# KiCad board EMP.kicad_pcb (continued)
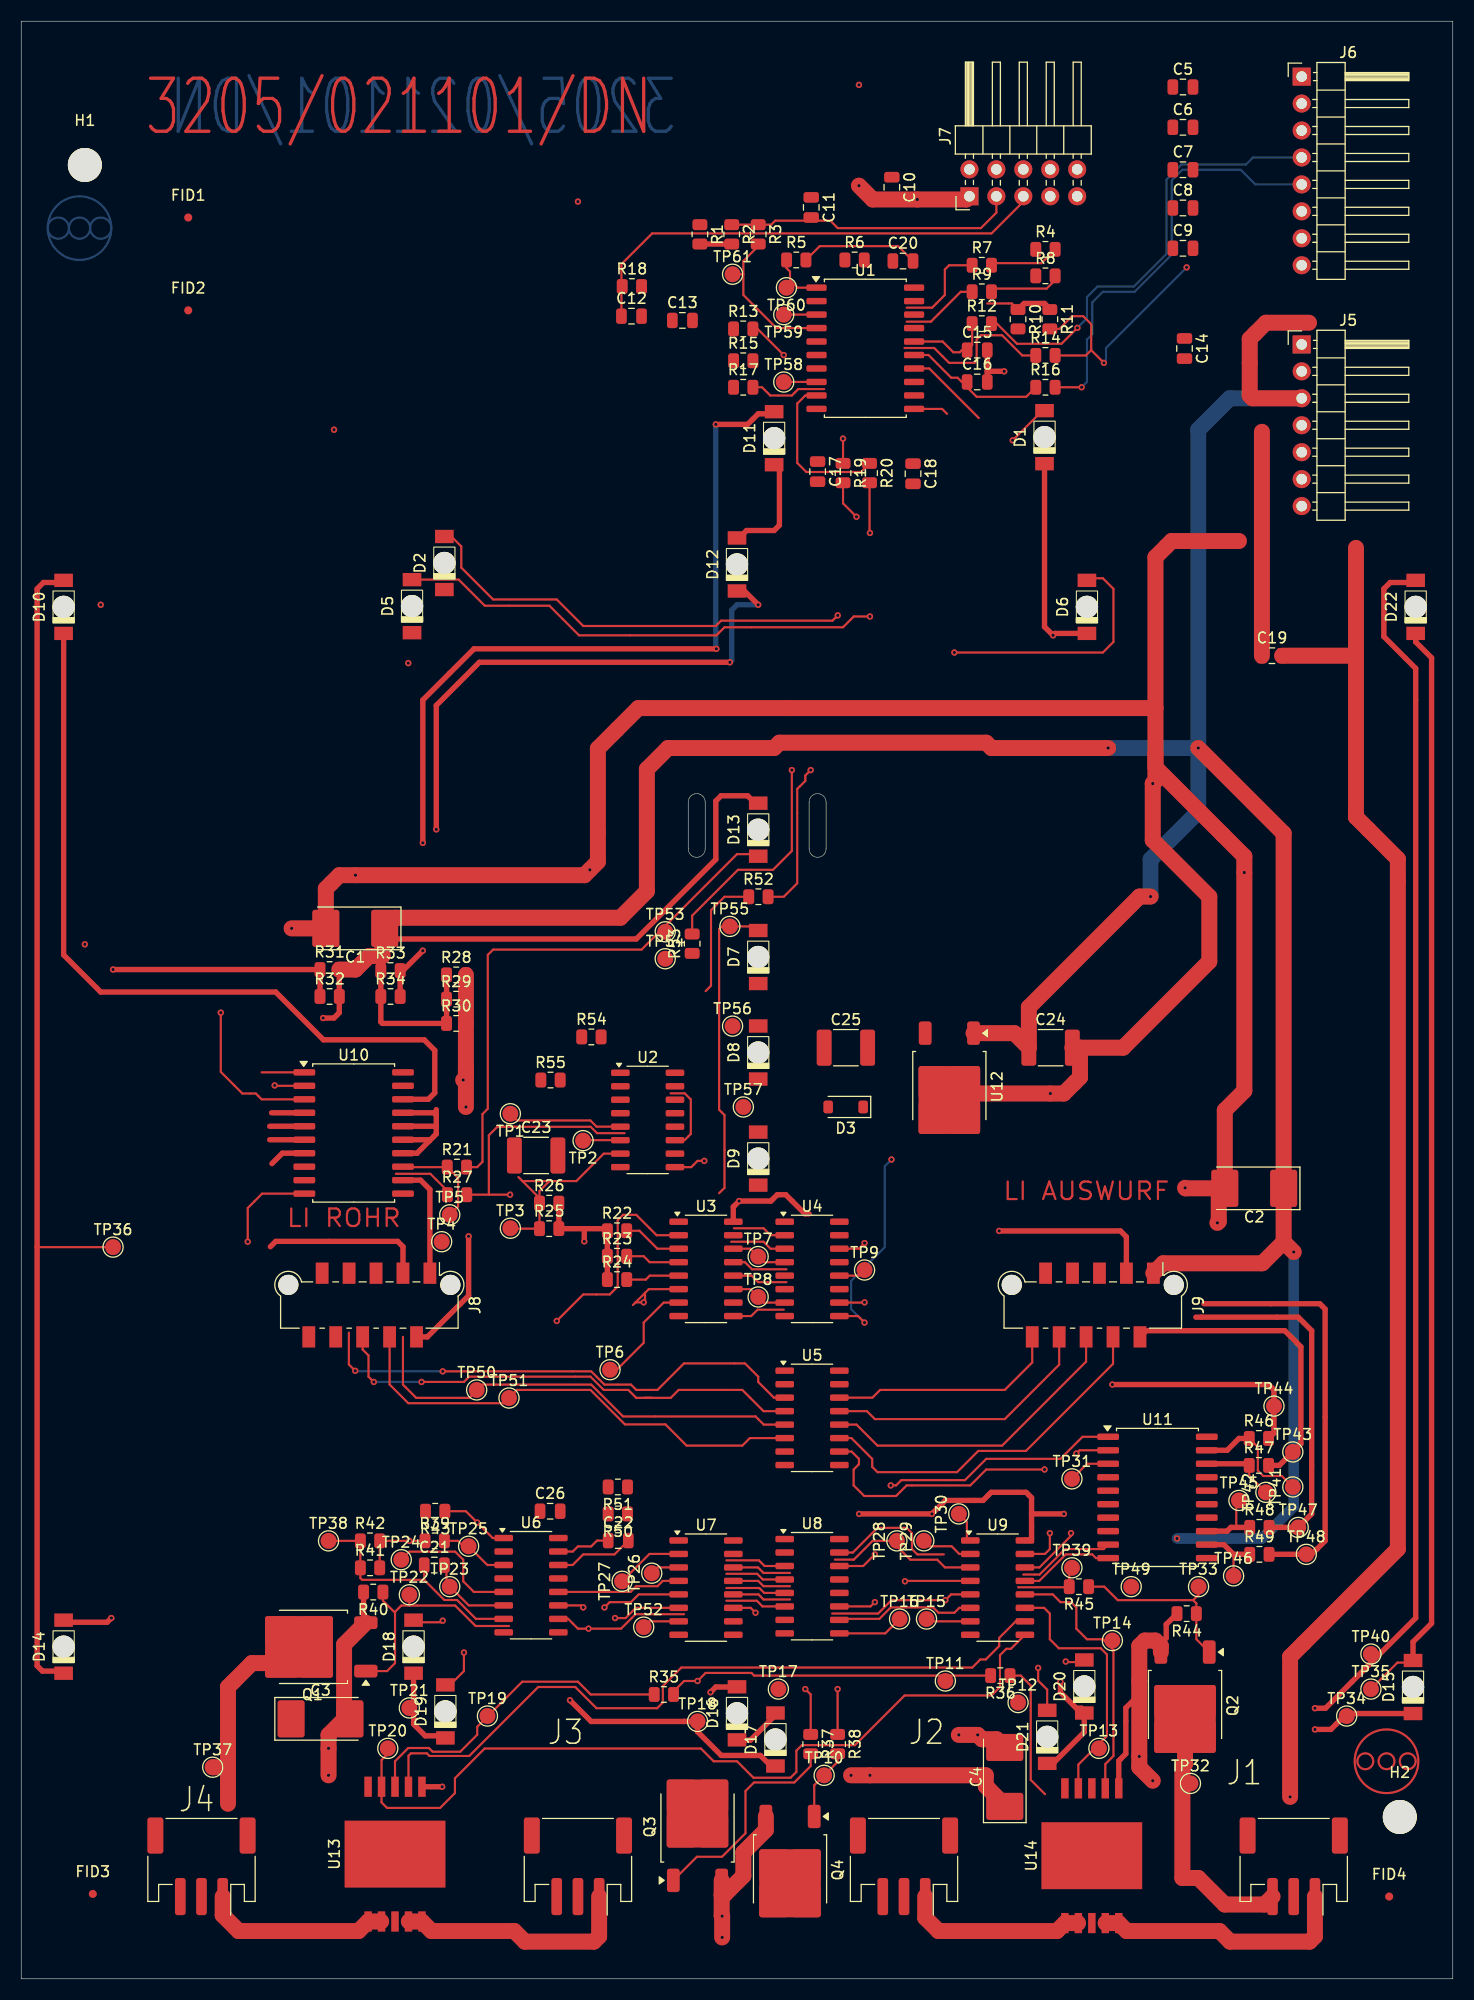
[diagram p0: board, top side]
## Footprints (pads in the part's own frame, mm; a bottom-side part is the same pattern mirrored in y, then rotated)
C_0805_2012Metric
  rrect 1x1.45 smd: 1(-0.95,0) 2(0.95,0)
C_1812_4532Metric
  rrect 1.4x3.4 smd: 1(-2.05,0) 2(2.05,0)
CP_EIA-7132-20_AVX-U
  rrect 2.55x3.5 smd: 1(-2.775,0) 2(2.775,0)
D_SOD-123
  rrect 0.9x1.2 smd: 1(-1.65,0) 2(1.65,0)
Fiducial_0.75mm_Mask2.25mm
  round 0.75 smd: (0,0)
JST_PH_S3B-PH-SM4-TB_1x03-1MP_P2.00mm_Horizontal
  rrect 1x3.5 smd: 1(-2,2.85) 2(0,2.85) 3(2,2.85)
  rrect 1.5x3.4 smd: MP(-4.35,-2.9) MP(4.35,-2.9)
LED_ReverseMount
  rect 0.5x0.7 smd: (-1.55,-0.375) (1.55,0.375)
  round 2.1 hole 2.1 unplated: (0,0)
  rect 1.25x1.75 smd: 1(-2.5,0) 2(2.5,0)
Molex_Picoflex_90814-0010_2x05_P1.27mm_Vertical
  round 1.9 hole 1.9 unplated: (-1.9,7.64) (-1.9,-7.64)
  rect 2x1.2 smd: 1(-3,5.71) 2(3,4.45) 3(-3,3.17) 4(3,1.91) 5(-3,0.63) 6(3,-0.63) 7(-3,-1.91) 8(3,-3.17) 9(-3,-4.45) 10(3,-5.71)
MountingHole_3.2mm_M3
  round 3.2 hole 3.2 unplated: (0,0)
PinHeader_1x07_P2.54mm_Horizontal
  rect 1.7x1.7 hole 1: 1(0,0)
  oval 1.7x1.7 hole 1: 2(0,-2.54) 3(0,-5.08) 4(0,-7.62) 5(0,-10.16) 6(0,-12.7) 7(0,-15.24)
PinHeader_1x08_P2.54mm_Horizontal
  rect 1.7x1.7 hole 1: 1(0,0)
  oval 1.7x1.7 hole 1: 2(0,-2.54) 3(0,-5.08) 4(0,-7.62) 5(0,-10.16) 6(0,-12.7) 7(0,-15.24) 8(0,-17.78)
PinHeader_2x05_P2.54mm_Horizontal
  rect 1.7x1.7 hole 1: 1(0,0)
  oval 1.7x1.7 hole 1: 2(2.54,0) 3(0,-2.54) 4(2.54,-2.54) 5(0,-5.08) 6(2.54,-5.08) 7(0,-7.62) 8(2.54,-7.62) 9(0,-10.16) 10(2.54,-10.16)
R_0805_2012Metric
  rrect 1.025x1.4 smd: 1(-0.912,0) 2(0.912,0)
SO-16_3.9x9.9mm_P1.27mm
  rrect 1.75x0.6 smd: 1(-2.575,4.445) 2(-2.575,3.175) 3(-2.575,1.905) 4(-2.575,0.635) 5(-2.575,-0.635) 6(-2.575,-1.905) 7(-2.575,-3.175) 8(-2.575,-4.445) 9(2.575,-4.445) 10(2.575,-3.175) 11(2.575,-1.905) 12(2.575,-0.635) 13(2.575,0.635) 14(2.575,1.905) 15(2.575,3.175) 16(2.575,4.445)
SOIC-10
  rect 0.7x1.9 smd: 1(-2.54,-6.35) 2(-1.27,-6.35) 3(0,-6.35) 4(1.27,-6.35) 5(2.54,-6.35) 6(2.54,6.35) 7(1.27,6.35) 8(0,6.35) 9(-1.27,6.35) 10(-2.54,6.35)
  rect 9.5x6.3 smd: TAB(0,0)
SOIC-20W_7.5x12.8mm_P1.27mm
  rrect 2.05x0.6 smd: 1(-4.65,5.715) 2(-4.65,4.445) 3(-4.65,3.175) 4(-4.65,1.905) 5(-4.65,0.635) 6(-4.65,-0.635) 7(-4.65,-1.905) 8(-4.65,-3.175) 9(-4.65,-4.445) 10(-4.65,-5.715) 11(4.65,-5.715) 12(4.65,-4.445) 13(4.65,-3.175) 14(4.65,-1.905) 15(4.65,-0.635) 16(4.65,0.635) 17(4.65,1.905) 18(4.65,3.175) 19(4.65,4.445) 20(4.65,5.715)
SOP-20_7.5x12.8mm_P1.27mm
  rrect 1.9x0.6 smd: 1(-4.6,5.715) 2(-4.6,4.445) 3(-4.6,3.175) 4(-4.6,1.905) 5(-4.6,0.635) 6(-4.6,-0.635) 7(-4.6,-1.905) 8(-4.6,-3.175) 9(-4.6,-4.445) 10(-4.6,-5.715) 11(4.6,-5.715) 12(4.6,-4.445) 13(4.6,-3.175) 14(4.6,-1.905) 15(4.6,-0.635) 16(4.6,0.635) 17(4.6,1.905) 18(4.6,3.175) 19(4.6,4.445) 20(4.6,5.715)
TestPoint_Pad_D1.5mm
  round 1.5 smd: 1(0,0)
TO-252-2
  rrect 2.2x1.2 smd: 1(-5.04,2.28) 3(-5.04,-2.28)
  rrect 3.05x2.75 smd: 2(-0.415,1.525) 2(-0.415,-1.525) 2(2.935,1.525) 2(2.935,-1.525)
  rrect 6.4x5.8 smd: 2(1.26,0)

## Nets
+5V: U3.16 U4.16 U12.3
+12V: C1.1 C2.1 C24.1 D13.2 J5.3 J9.1 R28.1 R29.1 R30.1 R31.2 R32.2 R33.1 R34.1 U12.1
GND: C1.2 C2.2 C3.2 C4.2 C10.2 C11.1 C17.2 C18.2 C19.1 C24.2 D1.1 D2.1 D5.1 D6.1 D7.1 D8.1 D9.1 D18.1 D19.1 D20.1 D21.1 J5.4 J5.5 J5.6 J5.7 J7.1 J8.3 J8.8 J8.10 J9.3 Q1.3 Q2.3 R40.2 R43.2 R44.2 TP21.1 U2.8 U3.8 U4.8 U5.8 U6.8 U10.4 U10.5 U10.6 U10.7 U10.14 U10.15 U10.16 U10.17 U11.4 U11.5 U11.6 U11.7 U11.14 U11.15 U11.16 U11.17 U12.2 U13.6 U14.6
Net-(C15-Pad2): C15.2 C16.2
Net-(C20-Pad2): C20.2 R5.2
Net-(D7-A): D7.2 TP55.1
Net-(D8-A): D8.2 TP56.1
Net-(D9-A): D9.2 TP57.1
Net-(D10-A): D10.2 D14.1 TP36.1
Net-(D10-K): D10.1 U10.18
Net-(D11-K): D11.1 D12.2
Net-(D13-K): D13.1 R21.2 TP53.1
Net-(D15-A): D15.2 D22.1 TP35.1
Net-(D15-K): D15.1 TP34.1
Net-(D16-K): D16.1 D17.2 TP17.1
Net-(D17-K): D17.1 TP18.1
Net-(D22-A): D22.2 TP40.1
Net-(J1-Pin_1): J1.1 U14.4 U14.5
Net-(J1-Pin_3): J1.3 Q2.2 TP32.1
Net-(J2-Pin_1): J2.1 U14.1 U14.2
Net-(J3-Pin_1): J3.1 U13.4 U13.5
Net-(J4-Pin_1): J4.1 U13.1 U13.2
Net-(J5-Pin_1): J5.1 J5.2
Net-(J6-Pin_4): J6.4 R12.2
Net-(J6-Pin_5): J6.5 R16.2
Net-(J7-Pin_3): C11.2 J7.3 R2.1 R3.1
Net-(J7-Pin_5): C12.1 J7.5 R18.1
Net-(J8-Pin_1): J8.1 TP4.1 U10.12
Net-(J8-Pin_4): J8.4 TP51.1 U5.6
Net-(J8-Pin_6): J8.6 U5.4
Net-(J9-Pin_2): J9.2 R47.2 TP43.1
Net-(J9-Pin_4): J9.4 U5.11
Net-(J9-Pin_6): J9.6 U5.12
Net-(J9-Pin_8): J9.8 U5.13
Net-(J9-Pin_10): J9.10 U5.14
Net-(Q1-D): Q1.2 TP37.1
Net-(Q1-G): Q1.1 R40.1 TP22.1
Net-(Q2-G): Q2.1 R44.1 R45.1 TP33.1
Net-(Q3-G): Q3.1 R37.2
Net-(Q3-S): Q3.3 Q4.3
Net-(Q4-G): Q4.1 R38.2 TP10.1
Net-(R1-Pad2): R1.2 R2.2
Net-(R4-Pad2): R4.2 R7.2
Net-(R8-Pad2): R8.2 R9.2
Net-(R10-Pad1): R10.1 R11.1
Net-(R11-Pad2): R11.2 R14.2
Net-(R22-Pad1): R22.1 R23.1 R24.1 R25.2 R26.2
Net-(R28-Pad2): R28.2 R29.2 R30.2
Net-(R31-Pad1): R31.1 R32.1
Net-(R33-Pad2): R33.2 R34.2
Net-(R35-Pad2): R35.2 R36.2 TP11.1
Net-(R36-Pad1): R36.1 TP12.1
Net-(R39-Pad1): R39.1 R41.2 R42.2
Net-(R45-Pad2): R45.2 TP39.1
Net-(R46-Pad2): R46.2 TP44.1
Net-(R48-Pad2): R48.2 TP47.1
Net-(R49-Pad2): R49.2 TP48.1
Net-(R53-Pad1): R53.1 TP54.1
Net-(U1-A1): TP59.1 U1.3
Net-(U1-A2): R3.2 TP61.1 U1.4
Net-(U1-A6): TP58.1 U1.8
Net-(U1-A7): R20.1 U1.9
Net-(U1-A->B): R5.1 TP60.1 U1.1
Net-(U1-B2): C15.1 R12.1 U1.16
Net-(U1-B3): C16.1 R16.1 U1.15
Net-(U2B-Cext): TP2.1 U2.6
Net-(U2B-Q): TP1.1 U2.5
Net-(U2B-RCext): R25.1 R26.1 TP3.1 U2.7
Net-(U3-D0): TP8.1 U3.11 U4.7
Net-(U3-D3): TP7.1 U3.14 U4.4
Net-(U3-D4): R22.2 U3.3
Net-(U3-D5): R23.2 U3.4
Net-(U3-D6): R24.2 U3.5
Net-(U3-~{Q7}): TP6.1 U3.7
Net-(U4-Zd): TP9.1 U4.12
Net-(U5-D6): TP50.1 U5.5
Net-(U6A-A): R43.1 U6.1
Net-(U6A-Cext): C22.2 U6.14
Net-(U6A-Clr): R39.2 TP25.1 U6.3
Net-(U6A-RCext): C22.1 U6.15
Net-(U6B-Cext): C21.2 TP23.1 U6.6
Net-(U6B-Q): TP24.1 U6.5
Net-(U6B-RCext): C21.1 R41.1 R42.1 TP38.1 U6.7
Net-(U6B-~{Q}): U6.12 U7.4
Net-(U7A-B): TP27.1 U7.2
Net-(U7A-Clr): TP26.1 U7.3
Net-(U7B-RCext): TP52.1 U7.7
Net-(U7C-VCC): R50.1 R51.1 U7.16
Net-(U8-QH'): TP16.1 U8.9
Net-(U8-~{SRCLR}): U8.10 U9.6
Net-(U9-A0): TP30.1 U9.1
Net-(U9-A1): TP29.1 U9.2
Net-(U9-A2): TP28.1 U9.3
Net-(U9-Y7): TP15.1 U9.7
Net-(U10-OUT3): R21.1 TP5.1 U10.13
Net-(U11-DIAG): TP31.1 U11.3
Net-(U11-IN4): TP49.1 U9.13 U11.10
Net-(U11-OUT1): R46.1 TP41.1 U11.19
Net-(U11-OUT2): R47.1 TP42.1 U11.18
Net-(U11-OUT3): R48.1 TP45.1 U11.13
Net-(U11-OUT4): R49.1 TP46.1 U11.12
Net-(U13-DIAG.): R35.1 TP19.1 U13.8
Net-(U13-INPUT1): U9.10 U13.7
Net-(U13-INPUT2): TP20.1 U9.9 U13.9
Net-(U13-Vcc): C3.1 U13.TAB
Net-(U14-INPUT1): TP14.1 U9.12 U14.7
Net-(U14-INPUT2): TP13.1 U9.11 U14.9

Pads without a net: C4 1; C5 1 2; C6 1 2; C7 1 2; C8 1 2; C9 1 2; C10 1; C12 2; C13 1 2; C14 1 2; C17 1; C18 1; C19 2; C20 1; C23 1 2; C25 1 2; C26 1 2; D1 2; D2 2; D3 1 2; D5 2; D6 2; D11 2; D12 1; D14 2; D16 2; D18 2; D19 2; D20 2; D21 2; J1 2 MP; J2 2 3 MP; J3 2 3 MP; J4 2 3 MP; J6 1 2 3 6 7 8; J7 2 4 6 7 8 9 10; J8 2 5 7 9; J9 5 7 9; Q3 2; Q4 2; R1 1; R4 1; R6 1 2; R7 1; R8 1; R9 1; R10 2; R13 1 2; R14 1; R15 1 2; R17 1 2; R18 2; R19 1 2; R20 2; R27 1 2; R37 1; R38 1; R50 2; R51 2; R52 1 2; R53 2; R54 1 2; R55 1 2; U1 2 5 6 7 10 11 12 13 14 17 18 19 20; U2 1 2 3 4 9 10 11 12 13 14 15 16; U3 1 2 6 9 10 12 13 15; U4 1 2 3 5 6 9 10 11 13 14 15; U5 1 2 3 7 9 10 15 16; U6 2 4 9 10 11 13 16; U7 1 5 6 8 9 10 11 12 13 14 15; U8 1 2 3 4 5 6 7 8 11 12 13 14 15 16; U9 4 5 8 14 15 16; U10 1 2 3 8 9 10 11 19 20; U11 1 2 8 9 11 20; U13 3 10; U14 3 8 10 TAB

## Via types
v1: diameter 0.6, hole 0.3, Top to Bottom, 112 vias

## Routing (per net, layer and track width the routed paths; a pad name or vN(x,y) marks a point on that pad's centre or on a via; arc(x,y) is an arc through that point)
+5V: length 9.8
  Top w0.5: 74.3,72.1 73.9,72.1 72.1,73.9 71.3,73.9 70.7,73.3 v1(67.7,73.3) 67.15,72.75 U3.16
+12V: length 364.3
  Top w0.5: R28.1 R30.1 34.06,90.04 33.91,90.19 R34.1 R33.1 ; 69.5,110.6 69.4,110.6 68.5,111.5 66,111.5 65.5,111 65.5,105.5 58,98 35.27,98 C1.1 ; v1(28.47,90.55) 29.49,90.55 30,91.06 R32.2 R31.2
  Top w1.5: 121.44,156.08 117.37,156.08 115.85,154.56 115.85,149.22 116.11,148.96 J5.3 ; v1(111,116) 119.05,107.95 C2.1 119.05,69.45 ; U12.1 93.65,89.12 C24.1 95.02,91.57 105.46,102 v1(106.5,102) ; R31.2 31.52,95.12 32.79,96.39 34.06,96.39 34.06,98.79 C1.1 35.27,100 56.5,100 59,102.5 59,114 61,116 71,116 71.5,116.5 91,116.5 91.5,116 v1(102.5,116) ; 119.05,69.45 v1(120,68.5) ; 119.05,69.45 117.04,67.44 107.7,67.44 J9.1
  Bottom w1: v1(109,41.5) 117,41.5 120,44.5 v1(120,68.5)
  Bottom w1.5: v1(111,116) 111,110 106.5,105.5 v1(106.5,102) ; v1(111,116) v1(102.5,116) ; v1(111,116) 111,146 113.96,148.96 J5.3
GND: length 416.2
  Top w0.5: 39.14,80.39 39.14,79.63 38.51,78.99 ; 39.14,80.39 39.14,81.41 ; 39.14,80.39 39.1,80.35 U10.16 ; 39.14,81.41 38.93,81.62 U10.17 ; 39.14,81.41 39.14,81.91 ; U13.6 v1(39.7,18.1) ; Q1.3 32.28,33.78 R40.2 ; U10.5 23.43,80.35 ; 96.75,20.5 97.5,20.5 100.25,23.25 100.25,25.25 100,25.5 99.5,25.5 98,27 v1(98,28) ; 38.51,78.99 37.32,77.81 U10.14 ; 38.51,78.99 38.42,79.08 U10.15 ; 104.93,26.29 104.17,25.53 104.17,21.21 103.5,20.54 U14.6 ; J8.3 36,69 35.5,69.5 24,69.5 23.5,69 ; U10.6 23.43,79.08 ; 23.65,76.83 24.62,77.81 U10.7 ; U10.4 23.61,81.62 ; D6.1 97.49,126.8 v1(97.31,126.62) 96.5,127.43 D1.1 ; 37,29 37,24 38.1,22.9 40,22.9 ; 107.34,31.5 107.98,32.13 107.98,33.4 R44.2 ; v1(92.23,70.48) 103.66,70.48 104.22,69.92 J9.3
  Top w1.5: v1(88.42,22.99) v1(90.2,22.99) 90.61,22.58 91.97,22.58 C4.2 ; U12.2 90.11,83.44 v1(97.05,83.44) 98.32,83.44 99.85,84.96 99.85,87.76 ; v1(28.98,19.18) v1(28.98,21.72) 28.98,22.99 30.5,24.5 C3.2 30.45,25.05 30.45,31.51 Q1.3 ; 106.96,115.44 106.96,114.17 115.34,105.79 v1(115.34,104.27) 115.34,83.69 113.5,81.85 C2.2 ; 106.96,115.44 106.96,112.9 v1(106.71,112.65) 106.71,107.31 112.04,101.98 112.04,95.88 103.91,87.76 99.85,87.76 ; 106.96,115.44 106.96,119.76 ; 114.83,135.51 108.48,135.51 106.96,133.98 106.96,119.76 ; 99.85,87.76 C24.2 ; v1(106.71,18.67) 105.44,19.94 v1(105.44,20.95) 105.44,31.37 105.94,31.88 106.96,31.88 107.47,31.37 Q2.3 ; C2.2 109.8,74.5 v1(109.75,74.55) ; C2.2 112.93,73.93 112.93,71.37 v1(112.8,71.25) ; v1(25.5,99) C1.2 28.73,102.74 30,104.01 v1(31.52,104.01) 53.11,104.01 v1(53.62,104.52) 54.38,105.28 54.38,115.95 58.19,119.76 106.96,119.76 ; v1(79,169) 80.3,167.7 v1(84.5,167.7) 89.12,167.7 J7.1 ; C19.1 117,145.8
  vias: v1(6,97.5) v1(7.5,129.5) v1(29.5,146) v1(36.5,124) v1(52.5,167.5) v1(79,178.5)
Net-(C15-Pad2): length 4.6
  Top w0.5: 91.1,151.5 v1(92.7,151.5) ; 91.1,151.5 C15.2 ; 91.1,151.5 C16.2
Net-(C20-Pad2): length 11.2
  Top w0.2: C20.2 82.7,163.3 75.3,163.3 R5.2
Net-(D7-A): length 29.3
  Top w0.2: 65.81,74.04 66.32,74.55 66.32,81.41 65.81,81.91 65.81,98.93 66.07,99.19 TP55.1 68.91,99.19 69.5,98.6
Net-(D10-A): length 114.1
  Top w0.2: TP36.1 1.5,68.96
  Top w0.5: 4,131.6 2.1,131.6 1.5,131 1.5,29.5 2,29 4,29
Net-(D10-K): length 76.5
  Top w0.5: 4,127 4,96.5 7.5,93 24,93 28.5,88.5 38,88.5 39,87.5 39,83.5 38.39,82.89 U10.18
Net-(D11-K): length 10.7
  Top w0.5: 71,142.9 71.1,142.9 71.5,142.5 71.5,137 71,136.5 68.4,136.5 67.5,135.6
Net-(D13-K): length 50.8
  Top w0.2: 69.5,106 67.5,106 58.5,97 44.5,97 44,96.5 44,82 43.5,81.5 43.5,77 43,76.5 R21.2
Net-(D15-A): length 103.6
  Top w0.2: 131.25,29.8 129.78,29.8 TP35.1
  Top w0.5: 131.25,29.8 131.25,31.75 133,33.5 133,124.5 131.5,126 131.5,127
Net-(D15-K): length 10
  Top w0.5: 131.25,25.2 131.2,25.2 131,25 125,25 123.5,23.5 v1(122,23.5)
Net-(D16-K): length 4.7
  Top w0.5: 71.12,24.85 68.78,22.5 67.72,22.5 67.5,22.72
Net-(D17-K): length 22.4
  Top w0.5: v1(51.75,26.25) 53.75,24.25 62.5,24.25 62.51,24.26 TP18.1 63.78,23.29 66.02,21.05 69.7,21.05 70.5,20.25 71.12,20.25
Net-(D22-A): length 114.5
  Top w0.5: v1(122,25.5) 123,25.5 131.5,34 131.5,123.5 128.5,126.5 128.5,131 129.1,131.6 131.5,131.6
Net-(J1-Pin_1): length 24.4
  Top w1.5: J1.1 122,4 121.5,3.5 114,3.5 113,4.5 104.25,4.5 U14.5 102.26,5.25
Net-(J1-Pin_3): length 24.9
  Top w1.5: J1.3 117.25,7 113.5,7 111,9.5 109.5,9.5 109.5,20 109.75,20.25 Q2.2
Net-(J2-Pin_1): length 17.2
  Top w1.5: 99.66,5.25 U14.1 97.67,4.5 86.5,4.5 85.25,5.75 J2.1
Net-(J3-Pin_1): length 22.7
  Top w1.5: J3.1 54.5,4 54,3.5 47.5,3.5 46.5,4.5 38.69,4.5 U13.5 36.55,5.4
Net-(J4-Pin_1): length 17.7
  Top w1.5: 33.95,5.4 U13.1 31.81,4.5 20.5,4.5 19,6 J4.1
Net-(J6-Pin_4): length 42.6
  Top w0.2: R12.2 92,156 93.9,154.1 98.1,154.1 v1(99.6,155.6)
  Bottom w0.2: v1(99.6,155.6) 100.5,156.5 100.5,158.5 101.5,159.5 104.93,159.5 108,162.57 108,169.57 109.43,171 115.5,171 116.16,171.66 J6.4
Net-(J6-Pin_5): length 40.5
  Top w0.2: R16.2 v1(100,150)
  Bottom w0.2: v1(100,150) 100.5,150.5 100.5,154.5 101,155 101,158 102,159 105,159 108.5,162.5 108.5,169.5 109.5,170.5 115,170.5 116.38,169.12 J6.5
Net-(J7-Pin_3): length 27.8
  Top w0.2: J7.3 91.96,166.46 90.5,165 77,165 76.3,165.7 74.8,165.7 C11.2 74.2,165.7 71.1,165.7 70.72,165.32 R3.1 R2.1
Net-(J7-Pin_5): length 45.7
  Top w0.2: J7.5 94.5,167.5 91.5,164.5 59.5,164.5 56.6,161.6 C12.1
Net-(J8-Pin_1): length 10.8
  Top w0.5: J8.1 38.54,74.39 37.66,75.27 U10.12
Net-(J8-Pin_4): length 45.5
  Top w0.2: J8.4 34.74,56.01 36.5,54.25 45.5,54.25 46.75,55.5 53.68,55.5 56.93,52.25 60.75,52.25 62.75,50.25 68,50.25 68.71,50.96 U5.6
Net-(J8-Pin_6): length 47.1
  Top w0.2: v1(37.75,56.25) 41.75,56.25 42.25,56.75 53.68,56.75 54.93,55.5 57.25,55.5 58,54.75 59.5,54.75 58.75,54.75 61.25,54.75 62,55.5 68,55.5 70,53.5 U5.4 ; J8.6 32.2,59.3 32.75,58.75 32.75,56.75 v1(33.25,56.25)
  Bottom w0.2: v1(37.75,56.25) v1(33.25,56.25)
Net-(J9-Pin_2): length 29.1
  Top w0.5: R47.2 118.64,48.39 TP43.1 120.68,50.42 120.68,59.56 119.15,61.09 106.09,61.09 J9.2
Net-(J9-Pin_4): length 34.3
  Top w0.2: U5.11 78.29,50.96 80.25,49 80.25,48.25 80.75,47.75 88.25,47.75 90.25,49.75 94.75,49.75 102.96,57.96 J9.4
Net-(J9-Pin_6): length 29.7
  Top w0.2: J9.6 100.42,58.17 92.5,50.25 80.75,50.25 78.77,52.23 U5.12
Net-(J9-Pin_8): length 25.8
  Top w0.2: J9.8 97.88,57.88 92.75,52.75 80.5,52.75 79.75,53.5 U5.13
Net-(J9-Pin_10): length 22
  Top w0.2: U5.14 80.27,54.77 81,55.5 92.75,55.5 95.34,58.09 J9.10
Net-(Q1-D): length 18.4
  Top w1.5: Q1.2 21.76,29.75 19.5,27.5 19.5,19.94 ; 19.5,19.94 19.5,16.5 ; 19.5,19.94 TP37.1
Net-(Q1-G): length 23.1
  Top w0.2: 46,33.25 42.85,33.25 40.92,35.18 36.6,35.18 ; TP22.1 36.6,35.18 ; 36.6,35.18 35.84,35.18 35.25,34.59 35.25,34.5 ; R40.1 34.11,35.64 35.25,34.5 ; 35.25,34.5 35.25,29.75 34.5,29 Q1.1
Net-(Q2-G): length 17.4
  Top w0.2: 110.52,35.69 103.4,35.69 102.13,36.96 R45.1 ; 110.52,35.69 111.02,36.19 TP33.1 ; 110.52,35.69 110.82,35.38 R44.1 110.82,32 Q2.1
Net-(Q3-G): length 20.9
  Top w0.2: Q3.1 63.72,11.5 66.09,11.5 68.3,13.71 68.3,17.7 69.1,18.5 72.9,18.5 74.45,20.05 R37.2
Net-(Q3-S): length 14.7
  Top w1.5: 66.06,7.9 66.06,5.94 v1(66.1,5.9) v1(66.1,3.9) ; 66.06,7.9 66.3,7.9 68.1,9.7 68.1,11.91 70.22,14.03 Q4.3 ; 66.06,7.9 Q3.3
Net-(Q4-G): length 6.8
  Top w0.2: Q4.1 74.78,18.24 76.99,20.45 R38.2
Net-(R1-Pad2): length 3
  Top w0.5: R1.2 R2.2
Net-(R4-Pad2): length 6.6
  Top w0.2: R7.2 91.7,161.7 96.2,161.7 R4.2
Net-(R8-Pad2): length 6.9
  Top w0.2: R9.2 91.5,159.1 91.7,159.3 96.7,159.3 97.5,160.1 R8.2
Net-(R10-Pad1): length 6.7
  Top w0.2: 91.1,157.9 93.42,157.9 R10.1
  Top w0.5: R11.1 97,157.4 96.5,157.9 94.58,157.9 R10.1
Net-(R11-Pad2): length 24.7
  Top w0.2: 100.9,153.5 100.9,155.95 100.15,156.7 99.1,156.7 97.9,155.5 R11.2 ; 100.9,153.5 100.4,153 R14.2 ; 100.9,153.5 v1(102.1,152.3)
  Bottom w0.2: v1(102.1,152.3) 102.3,152.5 102.3,153.7 v1(109.9,161.3)
Net-(R22-Pad1): length 12.9
  Top w0.5: R24.1 R22.1 55.08,70.7 53.1,70.7 ; 53.1,70.7 R25.2 R26.2 ; 53.1,70.7 v1(53.1,69.5)
Net-(R28-Pad2): length 13.8
  Top w1.5: 41.94,85.98 41.94,84.96 v1(41.68,84.71) ; 41.94,85.98 R30.2 R28.2 ; 41.94,85.98 v1(41.94,82.17)
Net-(R31-Pad1): length 22.1
  Top w0.5: v1(8.66,95.12) R31.1 R32.1
Net-(R33-Pad2): length 5.2
  Top w0.5: v1(37.87,96.9) 35.74,94.76 R34.2
Net-(R35-Pad2): length 31
  Top w0.2: R36.2 69.11,28.57 68.86,28.83 64.54,28.83 v1(63.78,28.07) 62.51,28.07 61.52,27.07 R35.2
Net-(R36-Pad1): length 13.1
  Top w0.2: R36.1 94.26,28.57 95.2,27.63 95.2,18.75 96.55,17.4
Net-(R39-Pad1): length 6.8
  Top w0.2: R41.2 R42.2 v1(36.6,41.27) R39.1
Net-(R45-Pad2): length 6.7
  Top w0.2: 94.01,36.9 98.78,36.9 R45.2 98.83,38.48 TP39.1
Net-(R46-Pad2): length 20.2
  Top w0.5: R46.2 118.14,51.43 TP44.1 118.14,55.5 117.63,56.01 v1(102.9,56.01)
Net-(R48-Pad2): length 33.3
  Top w0.5: 110.77,62.36 120.42,62.36 121.69,61.09 121.69,43.81 TP47.1 120.42,42.54 117.68,42.54
Net-(R49-Pad2): length 39.3
  Top w0.5: 111.53,63.63 122.45,63.63 122.96,63.12 122.96,41.27 121.69,40 TP48.1 117.68,40
Net-(U1-A1): length 3.1
  Top w0.2: U1.3 71.91,156.85 TP59.1
Net-(U1-A2): length 14.6
  Top w0.2: TP61.1 68.1,160.65 ; 68.1,160.65 68.1,161.9 69.5,163.3 R3.2 ; 68.1,160.65 68.1,158.7 71.22,155.58 U1.4
Net-(U1-A6): length 3.1
  Top w0.2: TP58.1 71.91,150.5 U1.8
Net-(U1-A7): length 15.2
  Top w0.2: U1.9 73.95,149.23 73.18,148.46 73.18,142.87 74.04,142.01 79.19,142.01 R20.1
Net-(U1-A->B): length 4.8
  Top w0.2: U1.1 73.21,159.39 72.5,160.1 72.5,160.9 72.17,161.22 R5.1
Net-(U1-B2): length 8.2
  Top w0.2: R12.1 89.67,153.97 C15.1 88.7,153.5 88.5,153.3 87.9,153.3 86.89,154.31 U1.16
Net-(U1-B3): length 13.8
  Top w0.2: R16.1 94.78,149.1 90.1,149.1 89.2,150 C16.1 88.7,150.5 88.3,150.9 87.7,150.9 85.56,153.04 U1.15
Net-(U2B-Cext): length 3.5
  Top w0.2: TP2.1 53.03,79.04 U2.6
Net-(U2B-Q): length 10.9
  Top w0.2: TP1.1 46.76,80.9 53.67,80.9 54.26,80.31 U2.5
Net-(U2B-RCext): length 21.2
  Top w0.2: 49.81,75.18 48.88,74.25 R26.1 ; 49.81,75.18 47.27,75.18 ; 49.81,75.18 52.35,75.18 54.94,77.77 U2.7 ; 47.27,75.18 46.89,75.56 ; 47.27,75.18 48.88,73.58 R25.1 46.16,70.7 TP3.1
Net-(U3-D0): length 5.4
  Top w0.2: U3.11 68.76,65 TP8.1 70.03,63.73 U4.7
Net-(U3-D3): length 5.4
  Top w0.2: U3.14 68.76,68.81 TP7.1 70.03,67.54 U4.4
Net-(U3-D4): length 5.6
  Top w0.2: U3.3 59.99,68.81 58.3,70.5 R22.2
Net-(U3-D5): length 5.1
  Top w0.2: R23.2 58.7,68.1 59.26,67.54 U3.4
Net-(U3-D6): length 5.1
  Top w0.2: U3.5 59.27,66.27 58.9,65.9 R24.2
Net-(U3-~{Q7}): length 10.2
  Top w0.2: U3.7 60.58,63.73 58.7,61.85 58.7,59.94 56.16,57.4 TP6.1
Net-(U4-Zd): length 2.6
  Top w0.2: TP9.1 79,66.27 U4.12
Net-(U5-D6): length 43.1
  Top w0.2: U5.5 70.02,52.23 69.25,53 56.75,53 53.75,56 43.5,56 42.25,54.75 37.25,54.75 36,56 36,60.5
Net-(U6A-A): length 6.6
  Top w0.2: U6.1 44.46,41.54 v1(43,43) 41.93,44.07 R43.1
Net-(U6A-Cext): length 7.6
  Top w0.2: C22.2 55.95,40 53,40 52,39 U6.14
Net-(U6A-Clr): length 6.5
  Top w0.2: U6.3 43.96,39 42.44,40.51 41.94,40.51 41.17,41.27 R39.2
Net-(U6A-RCext): length 5.1
  Top w0.2: C22.1 54.3,41.3 53.75,40.75 52.5,40.75 52.02,40.27 U6.15
Net-(U6B-Cext): length 7.9
  Top w0.2: 40.1,38.9 40.1,37.3 42.21,35.19 U6.6
Net-(U6B-Q): length 12.7
  Top w0.2: U6.5 42.69,36.46 41.68,37.46 41.68,39.5 40.92,40.26 36.6,40.26 TP24.1
Net-(U6B-RCext): length 23
  Top w0.2: TP38.1 R42.1 R41.1 31.98,37.76 32.15,37.6 38,37.6 ; U6.7 42.88,33.92 41.1,35.7 39.9,35.7 38,37.6 ; 38,37.6 C21.1
Net-(U6B-~{Q}): length 11.8
  Top w0.2: U7.4 60.5,37.5 60,37 58,37 57.46,36.46 U6.12
Net-(U7A-B): length 6.4
  Top w0.2: TP27.1 59.24,40.04 U7.2
Net-(U7A-Clr): length 2.8
  Top w0.2: TP26.1 60.01,38.77 U7.3
Net-(U7B-RCext): length 3.5
  Top w0.2: U7.7 59.24,33.69 TP52.1
Net-(U8-QH'): length 6.2
  Top w0.2: U8.9 81.48,32.56 TP16.1
Net-(U8-~{SRCLR}): length 13.2
  Top w0.2: U8.10 77.25,33.92 80.92,33.92 82,35 86,35 86.5,34.5 88,34.5 88.46,34.96 U9.6
Net-(U9-A0): length 3
  Top w0.2: U9.1 89.18,41.63 89.18,43.05 TP30.1
Net-(U9-A1): length 4.9
  Top w0.2: TP29.1 85.62,40.77 87.73,40.77 88.46,40.04 U9.2
Net-(U9-A2): length 14.8
  Top w0.2: U9.3 87.11,38.77 86.39,39.5 83.85,39.5 82.58,40.77 TP28.1 80.29,41.27 78.52,39.51 76.73,39.51
Net-(U9-Y7): length 4.2
  Top w0.2: U9.7 85.59,33.69 TP15.1
Net-(U10-OUT3): length 9.4
  Top w0.2: U10.13 36.04,76.5 R21.1 41.2,75.48 41.2,72.8 TP5.1
Net-(U11-DIAG): length 4
  Top w0.2: TP31.1 100.51,48.54 U11.3
Net-(U11-IN4): length 9
  Top w0.2: U11.10 101.35,39.65 101,40 98.5,40 96,37.5 U9.13
Net-(U11-OUT1): length 11.8
  Top w0.2: TP41.1 118.88,47.38 117.13,47.38 116.62,47.9 116.62,50.11 R46.1
  Top w0.5: U11.19 113.72,49.81 114.83,50.93 R46.1
Net-(U11-OUT2): length 7.3
  Top w0.2: R47.1 115.8,47.42 TP42.1
  Top w0.5: R47.1 115.65,48.54 U11.18
Net-(U11-OUT3): length 6.8
  Top w0.2: TP45.1 114.58,44.83 114.58,42.54
  Top w0.5: U11.13 113.72,42.19 114.07,42.54 R48.1
Net-(U11-OUT4): length 6.5
  Top w0.2: TP46.1 114.33,40
  Top w0.5: R49.1 114.33,40 113.41,40.92 U11.12
Net-(U13-DIAG.): length 31.2
  Top w0.2: R35.1 53.7,26.8 52.5,28 47.25,28 43,23.75 43,23 41.4,21.4 38.8,21.4 38.45,21.75 36.5,21.75 35.25,20.5 U13.8
Net-(U13-INPUT1): length 69.5
  Top w0.2: U13.7 36.52,21.02 36.75,21.25 38.25,21.25 38.5,21 42.25,21 48.75,27.5 52.25,27.5 54.25,25.5 59.97,25.5 60.51,26.04 60.51,27.59 62.26,29.34 89.69,29.34 90.45,30.1 90.96,30.1 92.23,31.37 92.23,32.13 93.79,33.69 U9.10
Net-(U13-INPUT2): length 79
  Top w0.2: U9.9 93.33,31.1 92.9,31.1 92.3,30.5 92.3,27.5 91.5,26.7 83.3,26.7 78.62,22.02 73.62,22.02 73.1,21.5 73.1,19.5 72.55,18.95 69.05,18.95 67.5,20.5 65.3,20.5 64.1,21.7 43.7,21.7 40.9,18.9 40.9,17.5 39.5,16.1 34.5,16.1 33.98,16.62 U13.9 33.98,20.62 34.57,21.21 TP20.1
Net-(U14-INPUT1): length 25.1
  Top w0.2: U14.7 102.23,20.23 103,21 103,31 102,32 100.5,32 99.5,33 99.5,35 99,35.5 98,35.5 97.27,36.23 U9.12
Net-(U14-INPUT2): length 24.7
  Top w0.2: U9.11 96.46,34.96 97,34.42 97,32 97.85,31.15 101.8,31.15 102.39,30.56 102.39,22.89 99.69,20.19 U14.9
unconnected-(C4-Pad1): length 16.4
  Top w1.5: v1(78.26,19.18) v1(80.04,19.18) 90.96,19.18 90.96,18.16 92.75,16.37 C4.1
unconnected-(C19-Pad2): length 130.5
  Top w1.5: 125.87,124.7 125.87,134.86 ; 125.87,124.7 125.87,109.49 129.82,105.54 129.82,40.51 119.66,30.35 v1(119.66,17.14) ; 125.87,124.7 C19.2
unconnected-(D1-A-Pad2): length 4.1
  Top w0.2: 96.5,147.6 96.1,147.6 v1(93.5,145)
unconnected-(D2-A-Pad2): length 42.2
  Top w0.2: v1(77,128.5) 76.5,128 66,128 65.5,127.5 53,127.5 50.5,130 44.5,130 41.5,133 41.5,135 40.56,135.94 D2.2
unconnected-(D5-A-Pad2): length 46.1
  Top w0.2: v1(80.04,128.4) 78.51,128.4 77.5,127.38 66.32,127.38 65.56,126.62 52.6,126.62 49.81,129.41 43.71,129.41 41.25,131.87 D5.2
unconnected-(D6-A-Pad2): length 23.5
  Top w0.2: 100.5,131.6 100.9,132 102,132 103,131 103,126 102,125 v1(88,125)
unconnected-(D11-A-Pad2): length 70.2
  Top w0.5: v1(37.87,107.06) 37.87,120.52 42.7,125.35 v1(65.56,125.35) ; 71,147.5 69.5,147.5 68.5,146.5 v1(65.5,146.5)
  Bottom w0.5: v1(65.5,146.5) 65.5,125.41 v1(65.56,125.35)
unconnected-(D12-K-Pad1): length 51.4
  Top w0.5: v1(39.14,108.33) 39.14,120.01 43.21,124.08 v1(66.83,124.08) ; v1(69.5,129.5) 68,131 67.5,131
  Bottom w0.5: v1(66.83,124.08) 67,124.25 67,129 67.5,129.5 v1(69.5,129.5)
unconnected-(D14-A-Pad2): length 4.7
  Top w0.5: v1(8.5,34) 8.1,33.6 4,33.6
unconnected-(D16-A-Pad2): length 2.9
  Top w0.5: v1(65,27) 65.5,27.5 67.5,27.5 67.5,27.32
unconnected-(D18-A-Pad2): length 2.8
  Top w0.2: 37,33.6 39.6,33.6 v1(39.75,33.75)
unconnected-(D19-A-Pad2): length 4.1
  Top w0.2: 40,27.5 40.25,27.5 41.75,29 v1(41.75,30.75)
unconnected-(D20-A-Pad2): length 1.8
  Top w0.2: 100.25,29.85 98.55,29.85 v1(98.5,29.9)
unconnected-(D21-A-Pad2): length 4.6
  Top w0.2: 96.75,25.1 96.75,27.25 95.9,28.1 v1(95.9,29.3)
unconnected-(J8-Pin_2-Pad2): length 12.1
  Top w0.5: J8.2 38.3,60.5 42.19,64.39 v1(42.19,69.98)
unconnected-(R7-Pad1): length 9.2
  Top w0.2: 83.5,157.5 85.9,157.5 87.1,158.7 87.1,161.1 87.5,161.5 R7.1
unconnected-(R9-Pad1): length 7.3
  Top w0.2: 83.5,156.18 85.78,156.18 88.6,159 R9.1
unconnected-(R13-Pad2): length 3.9
  Top w0.2: R13.2 69.44,155.5 v1(71.91,153.03)
unconnected-(R14-Pad1): length 16
  Top w0.2: 83.3,153.7 86.1,153.7 87.5,152.3 89.9,152.3 90.1,152.5 90.1,154.5 90.5,154.9 92.5,154.9 94.4,153 R14.1
unconnected-(R17-Pad2): length 7.3
  Top w0.2: R17.2 69.86,150 70.64,149.22 72.67,149.22 73.28,149.83 75.72,149.83
unconnected-(R19-Pad1): length 2.3
  Top w0.2: R19.1 77.5,145.16 v1(77.5,145.16)
unconnected-(R19-Pad2): length 3.7
  Top w0.2: v1(78.77,137.79) 77.5,139.06 R19.2
unconnected-(R20-Pad2): length 4.7
  Top w0.2: v1(80.04,136.27) 80,136.31 R20.2
unconnected-(R27-Pad1): length 5.9
  Top w0.2: R27.1 40.19,74.26 38.58,75.87 35.33,75.87
unconnected-(R27-Pad2): length 23.1
  Top w0.2: R27.2 44.1,73.9 ; 44.1,73.9 v1(46.1,73.9) ; 44.1,73.9 44.1,79.5 44.9,80.3 53.7,80.3 54.3,79.7 56.9,79.7
unconnected-(R37-Pad1): length 4.5
  Top w0.2: R37.1 74.45,26.8 v1(73.94,27.3)
unconnected-(R38-Pad1): length 4.3
  Top w0.2: R38.1 v1(76.99,27.3)
unconnected-(R52-Pad1): length 11.9
  Top w0.2: 64.54,93.09 65.05,93.6 65.05,100.71 66.32,101.98 R52.1
unconnected-(R52-Pad2): length 14.5
  Top w0.2: v1(74.45,113.92) 73.94,113.41 73.94,112.9 73.18,112.14 73.18,103.25 71.91,101.98 R52.2
unconnected-(R53-Pad2): length 21.3
  Top w0.2: v1(72.67,113.92) 72.67,106.3 70.89,104.52 67.59,104.52 63.27,100.2 63.27,98.47
unconnected-(U1-B4-Pad14): length 8
  Top w0.2: 90.3,147.1 85.63,151.77 U1.14
unconnected-(U1-B7-Pad11): length 3.3
  Top w0.2: U1.11 86.84,147.96 87.3,147.5
unconnected-(U2B-A-Pad9): length 3
  Top w0.2: U2.9 63.19,76.5 63.78,77.09 v1(64.42,77.09)
unconnected-(U2B-Clr-Pad11): length 7.1
  Top w0.2: U2.11 62.56,79.04 63.14,79.63 63.14,82.87 62.57,83.45 61.24,83.45
unconnected-(U3-CP-Pad2): length 20.1
  Top w0.2: U3.2 59.92,70.08 58,72 56.75,72 56.25,71.5 56.25,65.25 55.5,64.5 53,64.5 v1(50.5,62)
unconnected-(U3-D1-Pad12): length 5.3
  Top w0.2: 72.16,65.66 69.5,65.66 68.88,66.27 U3.12
unconnected-(U3-D2-Pad13): length 5.3
  Top w0.2: U3.13 68.25,67.54 68.92,66.87 72.16,66.87
unconnected-(U3-D7-Pad6): length 6.7
  Top w0.2: 57.87,63.69 57.94,63.75 v1(58.7,63.75) 58.83,63.88 58.83,64.64 ; 57.87,63.69 57.68,63.5 ; 57.87,63.69 58.83,64.64 ; 58.83,64.64 59.19,65 U3.6
unconnected-(U3-Q7-Pad9): length 5
  Top w0.2: 71.91,63.06 69.44,63.06 68.84,62.46 U3.9
unconnected-(U4-I0a-Pad2): length 5.1
  Top w0.2: 67.21,70.74 70,70.74 70.66,70.08 U4.2
unconnected-(U4-I0d-Pad14): length 2.6
  Top w0.2: v1(79.53,69.34) 79,68.81 U4.14
unconnected-(U4-I1a-Pad3): length 5.3
  Top w0.2: U4.3 70.66,68.81 70,69.47 66.95,69.47
unconnected-(U4-I1c-Pad10): length 2.4
  Top w0.2: v1(79.53,63.75) 79.5,63.73 U4.10
unconnected-(U4-Zc-Pad9): length 20.1
  Top w0.2: U4.9 78.92,62.46 v1(79.53,61.85)
  Bottom w0.2: v1(82.07,77.22) 81.43,76.58 81.43,68.96 78.26,65.78 78.26,63.12 v1(79.53,61.85)
unconnected-(U5-D4-Pad3): length 47.8
  Top w0.2: v1(39.75,57.25) 53.75,57.25 55,56 57.5,56 58,55.5 60,55.5 62.5,58 68.25,58 69.5,56.75 69.5,56.25 70.98,54.77 U5.3 ; v1(31.5,57.3) 30.9,57.9 30.9,60.9
  Bottom w0.2: v1(31.5,57.3) 31.55,57.25 v1(39.75,57.25)
unconnected-(U5-DS-Pad10): length 24.3
  Top w0.2: v1(96.5,48) 91,48 89.5,46.5 83.5,46.5 82.5,45.5 79.5,45.5 78.5,46.5 78.5,48 79,48.5 79,49 78.31,49.69 U5.10
unconnected-(U6B-B-Pad10): length 12.8
  Top w0.2: 62.5,34.36 57.93,34.36 56.57,33 v1(53.5,33) 52.5,33 51.58,33.92 U6.10
unconnected-(U6B-Clr-Pad11): length 2.4
  Top w0.2: v1(53,35) 52.81,35.19 U6.11
unconnected-(U7A-Cext-Pad14): length 5.6
  Top w0.2: U7.14 69.48,38.77 70,38.25 72.5,38.25
unconnected-(U7A-Q-Pad13): length 5.6
  Top w0.2: U7.13 69.5,37.5 70,37 72.5,37
unconnected-(U7B-Cext-Pad6): length 6.4
  Top w0.2: U7.6 57.96,34.96 57,34 v1(56,34)
unconnected-(U7B-Clr-Pad11): length 2.3
  Top w0.2: v1(69.25,34.5) 68.79,34.96 U7.11
unconnected-(U7B-Q-Pad5): length 7.5
  Top w0.2: v1(55,35) 55.5,35.5 57.5,35.5 58.23,36.23 U7.5
unconnected-(U7B-~{Q}-Pad12): length 5.5
  Top w0.2: 72.5,35.75 70,35.75 69.52,36.23 U7.12
unconnected-(U8-QA-Pad15): length 12.7
  Top w0.2: 87,40 84.5,40 84,40.5 84,42 83.5,42.5 80.75,42.5 78.42,40.18 U8.15
unconnected-(U8-QD-Pad3): length 5.7
  Top w0.2: 66.5,39.44 69.56,39.44 70.09,38.91 U8.3
unconnected-(U8-QE-Pad4): length 5.7
  Top w0.2: U8.4 69.93,37.63 69.4,38.17 66.5,38.17
unconnected-(U8-QF-Pad5): length 5.7
  Top w0.2: U8.5 70.07,36.37 69.6,36.83 66.5,36.83
unconnected-(U8-QG-Pad6): length 5.7
  Top w0.2: U8.6 69.91,35.09 69.37,35.63 66.5,35.63
unconnected-(U8-SER-Pad14): length 3.8
  Top w0.2: U8.14 79.41,38.91 v1(80.5,40)
unconnected-(U8-SRCLK-Pad11): length 3.5
  Top w0.2: v1(80.5,35.5) 80.09,35.09 U8.11
unconnected-(U9-VCC-Pad16): length 24.9
  Top w0.5: U9.16 95.06,41.31 95.28,41.53 95.28,43.81 ; 95.28,43.81 95.28,45.34 94.77,45.85 91.47,45.85 90.7,45.08 87.15,45.08 v1(85.88,43.81) v1(79.02,43.81) ; 95.28,43.81 v1(98.32,43.81)
unconnected-(U9-Y0-Pad15): length 4
  Top w0.2: U9.15 96.54,40.04 97,40.5 v1(97,42)
unconnected-(U9-Y1-Pad14): length 5.8
  Top w0.2: v1(99,42) 99,41.75 96.02,38.77 U9.14
unconnected-(U9-~{E1}-Pad4): length 6.2
  Top w0.2: U9.4 83.37,37.5 v1(83.34,37.46)
unconnected-(U9-~{E2}-Pad5): length 13.8
  Top w0.2: U9.5 87.69,36.23 v1(87.15,35.69) 82.07,35.69 80.81,34.43 76.48,34.43
unconnected-(U10-DIAG-Pad3): length 14.5
  Top w0.2: v1(18.82,91.06) 18.82,85.47 20.85,83.44 22.12,83.44 22.67,82.89 U10.3
unconnected-(U10-IN1-Pad1): length 4
  Top w0.2: U10.1 22.67,85.43
unconnected-(U10-IN2-Pad2): length 2.8
  Top w0.2: U10.2 23.94,84.16 v1(23.9,84.2)
unconnected-(U10-IN4-Pad10): length 9.1
  Top w0.2: v1(21.36,69.47) 21.36,72.64 22.72,74 U10.10
unconnected-(U11-IN1-Pad1): length 22.4
  Top w0.2: v1(82,46.5) 82.5,46.5 83,47 89,47 91,49 98,49 100.08,51.08 U11.1
unconnected-(U11-IN2-Pad2): length 3.1
  Top w0.2: v1(99.5,49.5) 99.81,49.81 U11.2
unconnected-(U11-IN3-Pad9): length 9.2
  Top w0.2: 94.5,38.1 96.03,38.1 98.33,40.4 98.35,40.4 98.45,40.5 102.08,40.5 U11.9

## Copper pours and planes (outline as drawn; the poured copper is in the pictures)
GND on Top: 1.5,183 73,183 73,180 80,180 80,177 70.5,177 70.5,171 80,171 80,167 70.5,167.5 60,167.5 55,161 5.3,133.1 4,134 1.5,134
GND on Bottom: 1.5,183 133.5,183 110,179.5 100.5,179.5 100.5,172 88,172 88,166.5 70.5,166.5 70.5,152.5 1.5,90 1.5,161.5 10,161.5 10,170.5 1.5,170.5

## Text on the board
Bottom: 3205/021101/DN
Top: LI ROHR | LI AUSWURF | 3205/021101/DN
